# Altium PCB Time4CM4_Modular.PcbDoc (part 2 of 2)
Units mil, origin at the board's own origin, x right, y up, seen from the top; angles counter-clockwise.
Board outline 2171 x 2100.88 mil, 4 copper layers (Top Layer, Int1 (GND), Int2 (PWR), Bottom Layer), stack 61.418 mil thick; 36 components, 160 nets, 586 pads, 420 vias.
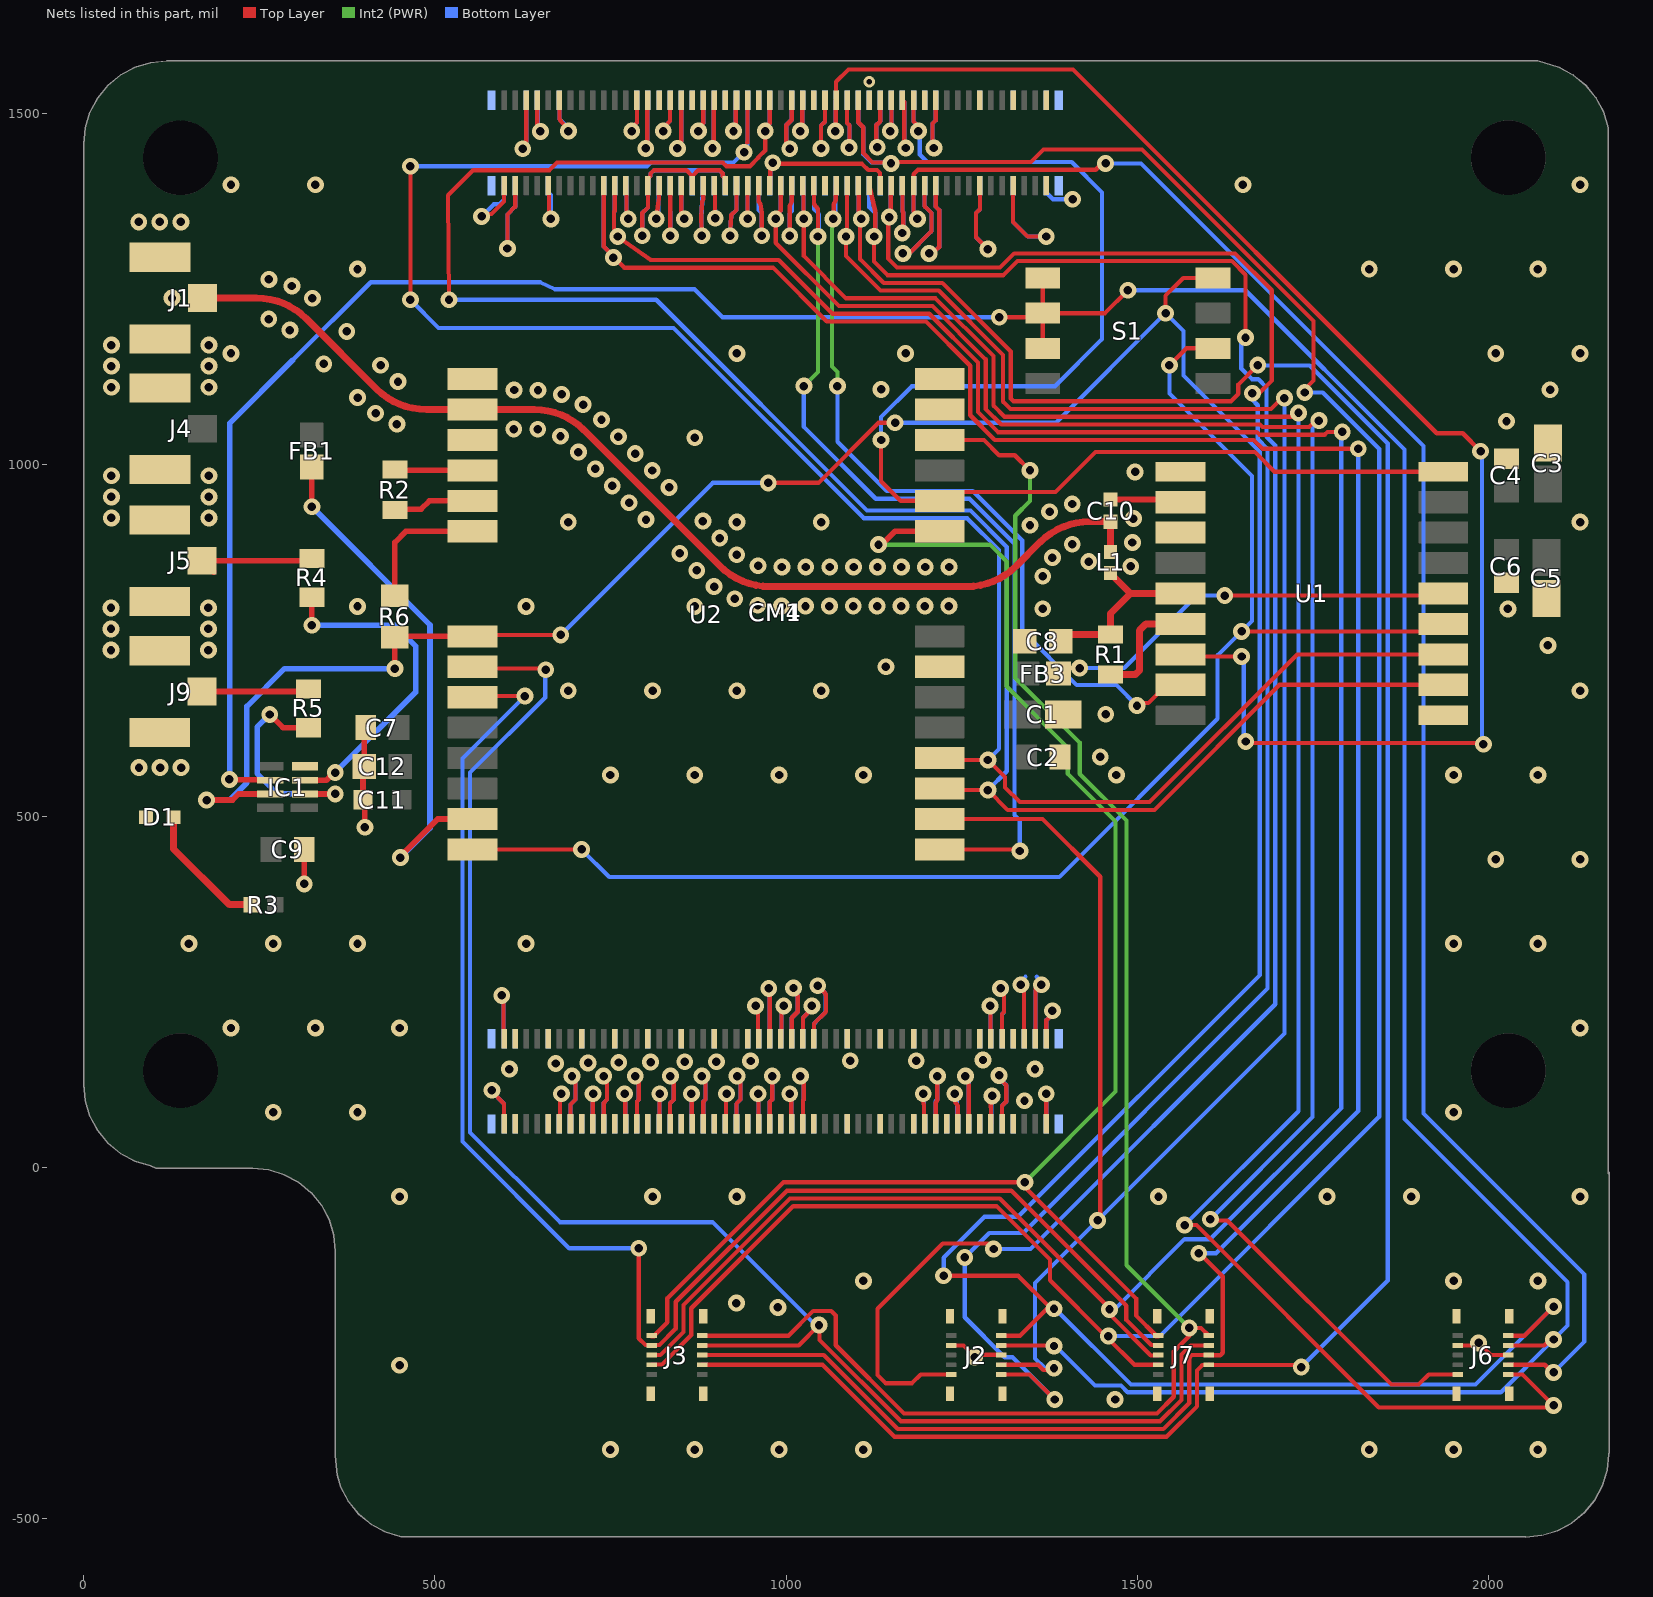
[diagram p4: the nets of this part, all layers, seen from the top]

## Via types
v1: diameter 24, hole 12, Top Layer to Bottom Layer, tented both sides, 419 vias
v2: diameter 16, hole 8, Top Layer to Bottom Layer, tented both sides, 1 vias

## Nets (pads, with @x,y where several pads share a name; then routed paths per layer and width w, separated by ;. In a path a pad name is that pad's centre, name@x,y a point inside that pad or via, vN(x,y) a via of type N, cw(c..) or ccw(c..) an arc to the next point about the centre after c; other vN are vias at no path point) (continued)
GND: C1.2 C2.2 C3.2 C4.2 C5.2 C6.2 C7.2 C8.1 C9.2 C11.1 C12.1 CM1.1 CM1.2 CM1.7 CM1.8 CM1.13 CM1.14 CM1.22 CM1.23 CM1.32 CM1.33 CM1.42 CM1.43 CM1.52 CM1.53 CM1.59 CM1.60 CM1.65 CM1.66 CM1.71 CM1.74 CM1.98 CM1.107 CM1.108 CM1.113 CM1.114 CM1.120 CM1.125 CM1.126 CM1.131 CM1.132 CM1.137 CM1.138 CM1.144 CM1.150 CM1.155 CM1.156 CM1.161 CM1.162 CM1.167 CM1.168 CM1.173 CM1.174 CM1.179 CM1.180 CM1.185 CM1.186 CM1.191 CM1.192 CM1.197 CM1.198 CM4.1 CM4.2 CM4.7 CM4.8 CM4.13 CM4.14 CM4.22 CM4.23 CM4.32 CM4.33 CM4.42 CM4.43 CM4.52 CM4.53 CM4.59 CM4.60 CM4.65 CM4.66 CM4.71 CM4.74 CM4.98 CM4.107 CM4.108 CM4.113 CM4.114 CM4.120 CM4.125 CM4.126 CM4.131 CM4.132 CM4.137 CM4.138 CM4.144 CM4.150 CM4.155 CM4.156 CM4.161 CM4.162 CM4.167 CM4.168 CM4.173 CM4.174 CM4.179 CM4.180 CM4.185 CM4.186 CM4.191 CM4.192 CM4.197 CM4.198 D1.1 IC1.4 J1.2 J1.3 J2.3 J2.6 J2.MP1 J2.MP2 J2.MP3 J2.MP4 J3.MP1 J3.MP2 J3.MP3 J3.MP4 J4.2 J4.3 J5.2 J5.3 J6.3 J6.6 J6.MP1 J6.MP2 J6.MP3 J6.MP4 J7.MP1 J7.MP2 J7.MP3 J7.MP4 J9.2 J9.3 pad.2 U1.1 U1.10 U1.12 U2.7 U2.13 U2.14 U2.15 U2.17 | length 1951.5
  Top Layer w6: v1(603.06,1307.94) 603.06,1356.34 614.17,1367.46 CM4.98@614.17,1397.64 ; v1(795,1326) 795,1358.28 803.15,1366.43 CM4.74@803.15,1397.64 804.09,1398.58 804.09,1408.42 806.96,1411.29 806.96,1414.73 811.65,1419.42 857.65,1419.42 865.16,1411.9 ; CM4.66@866.14,1397.64 866.42,1397.91 866.42,1411.19 874.64,1419.42 904.89,1419.42 909.57,1414.73 909.57,1411.29 912.45,1408.42 912.45,1398.58 CM4.60@913.39,1397.64 ; CM4.52@976.38,1397.64 977.31,1398.58 977.31,1426.64 v1(980.67,1430) ; v1@977.31,1428.42 1107.74,1428.42 1116.65,1419.51 1129.21,1419.51 1133.24,1415.47 1133.24,1398.05 CM4.32@1133.86,1397.44 ; v1(1203.28,1301) 1208.15,1301 1216.77,1309.61 1217.61,1309.61 1217.61,1362.84 1212.6,1367.86 CM4.22@1212.6,1397.64 ; J2.3@1234.55,-253.17 1252.03,-253.17 1265.27,-266.4 1268,-266.4 v1(1268,-270) ; v1@1270.65,-266.56 J2.6@1305.81,-266.56 ; CM4.14@1275.59,1397.64 1275.59,1363.87 1270,1358.28 1270,1323.99 v1(1287,1306.99) ; CM4.8@1322.83,1397.64 1322.83,1345.73 1343.56,1325 v1(1370.08,1325) ; J6.3@1955.58,-253.17 1976.96,-253.17 1980.55,-249.58 v1(1985.42,-249.58) 2002.78,-266.95 J6.6@2027.24,-266.95
  Top Layer w8: v1(313.98,403.54) C9.2@313.98,452.76 ; v1(400.24,484.25) 400.24,521.02 C11.1@397.64,523.62 397.64,568.89 C12.1@399.61,570.86 399.61,624.02 C7.2@401.57,625.98 C7.2@402.61,627.02
  Bottom Layer w6: v1(603.06,1307.94) 603.06,1356.34 614.17,1367.46 CM1.98@614.17,1397.44 ; v1(795,1326) 795,1358.28 803.15,1366.43 CM1.74@803.15,1397.44 804.09,1398.38 804.09,1408.22 806.96,1411.09 806.96,1414.53 811.65,1419.22 862.45,1419.22 ; CM1.66@866.14,1397.44 865.2,1398.38 865.2,1416.46 862.45,1419.22 ; CM1.60@913.39,1397.44 912.45,1398.38 912.45,1408.22 909.57,1411.09 909.57,1414.53 904.89,1419.22 862.45,1419.22 ; CM1.52@976.38,1397.44 977.31,1398.38 977.31,1426.64 v1(980.67,1430) ; v1(1203.28,1301) 1208.15,1301 1216.77,1309.61 1217.61,1309.61 1217.61,1362.84 1212.6,1367.86 CM1.22@1212.6,1397.44 ; CM1.14@1275.59,1397.44 1275.59,1363.87 1270.92,1359.21 1270,1358.28 1270,1323.99 v1(1287,1306.99) ; CM1.8@1322.83,1397.44 1322.83,1345.73 1343.56,1325 v1(1370.08,1325) ; CM1.2@1370.08,1397.44 1370.08,1387.6 1379.73,1377.95 v1(1407.48,1377.95)
  other v1: 749.76,-401.42 869.76,-401.42 989.76,-401.42 1109.76,-401.42 1829.76,-401.42 1949.76,-401.42 2069.76,-401.42 1467.99,-330.22 449.76,-281.42 988,-199 929,-193 1109.76,-161.42 1949.76,-161.42 2069.76,-161.42 449.76,-41.42 809.76,-41.42 929.76,-41.42 1529.76,-41.42 1769.76,-41.42 1889.76,-41.42 2129.76,-41.42 269.76,78.58 389.76,78.58 1949.76,78.58 1339,95 606,140 1354,140 672,148 717.98,148.87 761.5,149.46 807,150 855.51,150.51 900.51,150.51 949.34,151.61 1091,152 1185,152 1280,153 209.76,198.58 329.76,198.58 449.76,198.58 2129.76,198.58 149.76,318.58 269.76,318.58 389.76,318.58 629.76,318.58 1949.76,318.58 2069.76,318.58 2009.76,438.58 2129.76,438.58 749.76,558.58 869.76,558.58 989.76,558.58 1109.76,558.58 1469.76,558.58 1949.76,558.58 2069.76,558.58 78.74,569.14 108.74,569.14 138.74,569.14 1446.85,584.38 1454.65,645 689.76,678.58 809.76,678.58 929.76,678.58 1049.76,678.58 2129.76,678.58 1141.73,712.6 38.96,736.47 177.58,736.47 2084,743 38.96,766.47 177.58,766.47 2027,795 1365,795.28 38.96,796.47 177.58,796.47 389.76,798.58 629.76,798.58 869.76,798.58 993.37,798.93 1027.37,798.93 1061.37,798.93 1095.37,798.93 1129.37,798.93 1163.37,798.93 1197.37,798.93 1231.37,798.93 959.4,800.29 926.66,809.47 897.37,826.73 1365,841.4 872.51,849.92 993.81,854.61 1027.81,854.61 1061.81,854.61 1095.81,854.61 1129.81,854.61 1163.81,854.61 1197.81,854.61 1231.81,854.61 1490.35,855.6 959.86,856.49 1430.4,862.39 1378.71,868.02 929.6,872 848.47,873.97 1406.93,886.99 1492.5,889.53 905.36,895.83 1346.84,914.12 689.76,918.58 929.76,918.58 1049.76,918.58 2129.76,918.58 881.31,919.87 800.39,922.05 1494.11,923.49 39.53,924.46 178.15,924.46 1374.87,933.36 1407.05,944.35 776.34,946.09 39.53,954.46 178.15,954.46 833.23,967.96 752.3,970.13 39.53,984.46 178.15,984.46 1496.38,990 809.19,992 728.26,994.17 785.15,1016.04 704.22,1018.22 869.76,1038.58 761.11,1040.08 678.68,1040.66 612.2,1050.9 646.2,1050.71 445.91,1058.11 2025,1062 737.06,1064.12 415.58,1073.47 710.86,1085.78 389.89,1095.74 680.15,1100.39 612.65,1106.58 646.65,1106.17 2087,1107 1135.05,1107.42 39.53,1110.48 178.15,1110.48 447.39,1118.58 39.53,1140.48 178.15,1140.48 422.56,1141.81 341.8,1143.82 209.76,1158.58 929.76,1158.58 1169.76,1158.58 2009.76,1158.58 2129.76,1158.58 39.53,1170.48 178.15,1170.48 374.48,1189.9 293.57,1191.75 263.44,1207.51 125.78,1237.44 325.6,1237.16 296.39,1254.56 263.7,1263.89 389.76,1278.58 1829.76,1278.58 1949.76,1278.58 2069.76,1278.58 78.37,1345.72 108.37,1345.72 138.37,1345.72 209.76,1398.58 329.76,1398.58 1649.76,1398.58 2129.76,1398.58
  other v2: 1118.11,1545.28
GNSS_RESET: CM1.25 CM4.25 U1.9 U2.10 | length 1920.9
  Top Layer w6: v1(1135,1035.43) 1135,976.72 1162.9,948.82 U2.10@1218.33,948.82 1228.17,948.82 1240.92,961.57 1383.28,961.57 1440,1018.28 1666.89,1018.28 1695.02,990.16 U1.9@1935.08,990.16 ; CM4.25@1181.1,1518.9 1181.1,1488.77 v1@1192,1477.87
  Bottom Layer w6: v1@1134.98,1035.45 1134.98,1068.28 1178.68,1111.98 1382.61,1111.98 1449.52,1178.89 1449.52,1387.72 1406.24,1431 1200.72,1431 1190,1441.72 1190,1479.87 1181.1,1488.77 CM1.25@1181.1,1518.7
  other v1: 1188,1475
GNSS_RF_IN: C10.2 J1.1 L1.2 U2.16 | length 1518.5
  Top Layer w10: J1.1@168.88,1237.45 246.13,1237.45 cw(c246.13,1137.45) 316.84,1208.16 416.97,1108.03 ccw(c487.68,1178.74) 487.68,1078.74 U2.16@553.33,1078.74 641.65,1078.74 cw(c641.65,978.74) 712.36,1049.45 905.75,856.06 ccw(c976.46,926.77) 976.46,826.77 1256.66,826.77 ccw(c1256.66,926.77) 1327.38,856.06 1361.32,890 cw(c1432.03,819.29) 1432.03,919.29 C10.2@1461.44,919.29 L1.2@1461.44,875.99
GPIO_0: CM1.36 CM4.36 J3.3 J7.3 | length 3440
  Top Layer w6: J3.3@880.22,-280.72 1051.56,-280.72 1154.05,-383.22 1541.19,-383.22 1584.49,-339.91 1584.49,-288.92 1592.15,-281.27 1600.71,-281.27 J7.3@1601.25,-280.72 1601.53,-281 1730,-281 v1(1733,-284) ; CM4.36@1102.36,1397.64 1103.3,1396.7 1103.3,1353.32 v1(1106.61,1350) 1105,1348.39 1105,1292.78 1138.78,1259 1222.09,1259 1319.55,1161.54 1319.55,1094.49 1323.49,1090.55 1632.77,1090.55 1643.38,1101.16 1643.38,1114.31 v1(1671.07,1142)
  Bottom Layer w6: CM1.36@1102.36,1397.44 1103.3,1396.5 1103.3,1353.32 v1(1106.61,1350) ; v1(1671.07,1142) 1673.31,1142 1674,1141.31 1744.98,1141.31 1856,1030.28 1856,-161 v1(1733,-284)
GPIO_1: CM1.35 CM4.35 J3.4 J7.4 | length 3609.6
  Top Layer w6: J3.4@808.57,-280.72 809.11,-280.18 823.05,-280.18 864.74,-238.49 864.74,-200.23 1009.97,-55 1299.28,-55 1375.42,-131.14 1375.42,-160.42 1456.72,-241.72 1495.72,-280.72 J7.4@1529.6,-280.72 ; CM4.35@1102.36,1518.9 1102.36,1487.64 1109.49,1480.51 1109.49,1443.72 1122.7,1430.51 1147.49,1430.51 v1(1149,1429) 1151,1431 1348.28,1431 1366.28,1449 1506.22,1449 1750.44,1204.78 1750.44,1120.26 1738,1107.82 v1(1738,1103)
  Bottom Layer w6: CM1.35@1102.36,1518.7 1102.36,1487.51 1109.49,1480.38 1109.49,1458.79 1109.49,1442.22 1121.21,1430.51 v1@1137.78,1430.51 ; v1@1455,-240 1531.65,-240 1844,72.35 1844,1022.48 1763.48,1103 v1(1738,1103)
  other v1: 1458.44,-240
GPIO_2: CM1.58 CM4.58 | length 149.3
  Top Layer w6: v1(920,1326) 921.76,1355.56 929.13,1362.93 CM4.58@929.13,1397.64
  Bottom Layer w6: v1(920,1326) 921.76,1355.46 929.13,1362.83 CM1.58@929.13,1397.44
GPIO_3: CM1.56 CM4.56 | length 95.2
  Top Layer w6: CM4.56@944.88,1397.64 944.94,1397.58 944.94,1350.06 v1(945,1350)
  Bottom Layer w6: CM1.56@944.88,1397.44 944.94,1397.38 944.94,1350.06 v1(945,1350)
GPIO_4: CM1.54 CM4.54 | length 144.6
  Top Layer w6: CM4.54@960.63,1397.64 960.63,1376.83 ccw(c966.63,1376.86) 962.38,1372.62 ; 963.27,1371.73 965,1358.28 v1(965,1326)
  Bottom Layer w6: CM1.54@960.63,1397.44 960.63,1362.65 965,1358.28 v1(965,1326)
GPIO_5: CM1.34 CM4.34 J2.9 | length 2767
  Top Layer w6: CM4.34@1118.11,1397.64 1126.61,1360.9 1126.61,1326.61 v1(1125,1325) 1125,1289.24 1144.24,1270 1308.91,1270 1328.91,1290 1634.11,1290 1653.54,1270.57 v1(1653.54,1181.1) ; J2.9@1234.55,-294.5 1191.47,-294.5 1179.07,-306.91 1141.47,-306.91 1129.75,-295.2 1129.75,-200.96 1222.72,-108 1287,-108 v1(1295,-116)
  Bottom Layer w6: CM1.34@1118.11,1397.44 1118.11,1366.79 1126.61,1358.28 1126.61,1326.61 v1(1125,1325) ; v1(1295,-116) 1347.72,-116 1696,232.28 1696,1027.4 1683.38,1040.01 1683.38,1110.28 1671.67,1122 1662.79,1122 1647.47,1137.32 1647.47,1175.03 v1(1653.54,1181.1)
GPIO_6: CM1.30 CM4.30 J2.10 | length 2696.1
  Top Layer w6: v1(1146.61,1352.57) 1146.61,1350 1145,1348.39 1145,1293.72 1157.72,1281 1304.35,1281 1324.35,1301 1638.67,1301 1691.07,1248.59 1691.07,1120.21 1670.61,1099.74 1668.35,1102 v1(1663.38,1102) ; v1@1148.67,1352.57 1148.67,1396.7 CM4.30@1149.61,1397.64 ; J2.10@1306.2,-294.5 1346.35,-294.5 v1(1382.07,-330.22)
  Bottom Layer w6: v1(1146.61,1352.57) 1148.67,1354.62 1148.67,1396.5 CM1.30@1149.61,1397.44 ; v1(1382.07,-330.22) 1321.81,-269.96 1310.81,-269.96 1254,-213.15 v1(1254,-128) 1288.93,-93.07 1337.35,-93.07 1685,254.58 1685,1022.84 1671,1036.84 1671,1084.9 1663.38,1092.52 v1(1663.38,1102)
GPIO_7: CM1.37 CM4.37 | length 137.8
  Top Layer w6: CM4.37@1086.61,1518.9 1086.61,1486.67 1090,1483.28 1090,1452.02 v1(1089.49,1451.52)
  Bottom Layer w6: CM1.37@1086.61,1518.7 1086.61,1486.67 1090,1483.28 1090,1452.02 v1(1089.49,1451.52)
GPIO_8: CM1.39 CM4.39 U1.16 | length 2235
  Top Layer w6: v1(1070,1475) 1070.43,1475.43 1070.43,1518.47 CM4.39@1070.87,1518.9 1070.43,1519.33 1070.87,1519.76 1070.87,1545.28 1088.39,1562.8 1407.98,1562.8 1925.82,1044.96 1962.78,1044.96 v1(1988.28,1019.45) ; U1.16@1561.06,730.32 1564.1,727.28 v1(1648,727.28) ; v1(1653.98,606.3) 1655.95,604.33 1990.2,604.33 v1(1992.17,602.36)
  Bottom Layer w6: v1(1070,1475) 1070.43,1475.43 1070.43,1518.27 CM1.39@1070.87,1518.7 ; v1(1648,727.28) 1650.99,724.29 1650.99,609.29 v1(1653.98,606.3) ; v1(1988.28,1019.45) 1990.22,1017.51 1990.22,604.3 v1(1992.17,602.36)
GPIO_9: CM1.40 CM4.40 U1.17 | length 1156.3
  Top Layer w6: v1@1066.61,1350 ccw(c1061.43,1353.03) 1067.43,1352.99 1067.43,1369.95 cw(c1073.43,1369.95) 1068.71,1373.65 ; 1069.16,1374.22 ccw(c1064.43,1377.92) 1070.43,1377.92 1070.43,1386.86 CM4.40@1070.87,1397.64 ; v1(1499.12,657.48) 1502.56,660.93 1515.3,660.93 1541.38,687.01 U1.17@1561.06,687.01 U1.17@1563.46,684.61
  Int2 (PWR) w6: v1(1066.61,1350) 1065,1348.39 1065,1140.04 1072.83,1132.2 v1(1072.83,1112.2)
  Bottom Layer w6: v1@1065,1348.39 v1(1066.61,1350) 1069.93,1353.32 1069.93,1396.5 CM1.40@1070.87,1397.44 ; v1(1072.83,1112.2) 1072.83,1032.86 1142.92,962.77 1265.4,962.77 1335.85,892.32 1335.85,764.18 1413.3,686.73 1469.87,686.73 v1@1500.22,656.37
GPIO_10: CM1.44 CM4.44 U2.1 | length 1349.4
  Top Layer w6: CM4.44@1039.37,1397.64 1039.37,1373.11 ccw(c1045.37,1373.12) 1041.11,1368.89 1043.26,1366.74 cw(c1039,1362.51) 1045,1362.51 v1(1045,1325) ; U2.1@1218.33,452.76 1330.07,452.76 v1(1332.4,450.43)
  Int2 (PWR) w6: v1(1025,1112.2) 1045,1132.2 v1(1045,1325)
  Bottom Layer w6: v1(1025,1112.2) 1025,1054.15 1127.38,951.77 1260.84,951.77 1324.85,887.77 1324.85,501.29 1332.4,493.74 v1@1332.4,457.34 ; CM1.44@1039.37,1397.44 1039.37,1363.91 1046.5,1356.78 1046.5,1326.5 v1(1045,1325) v1@1043.3,1323.31
GPIO_11: CM1.38 CM4.38 J2.8 U2.2 | length 3292.6
  Top Layer w6: v1@1085,1323.39 1085,1297.23 1134.23,1248 1217.09,1248 1308.55,1156.54 1308.55,1089.93 1318.93,1079.55 1689.89,1079.55 1705.33,1095 v1(1709,1095) ; v1(1085,1325) 1086.69,1326.69 1088.31,1326.69 1086.61,1328.39 CM4.38@1086.61,1397.64 ; U2.2@1218.33,496.06 1364.59,496.06 1446.85,413.81 v1@1446.85,-75.29 ; J2.8@1306.2,-280.72 1358.19,-280.72 1365.69,-288.22 v1@1370.78,-288.22
  Bottom Layer w6: v1(1085,1325) 1086.61,1326.61 CM1.38@1086.61,1397.44 ; v1@1373.21,-285.79 1368.12,-285.79 1354,-271.67 1354,-164.39 v1(1443.11,-75.29) 1709,190.61 v1(1709,1095)
  other v1: 1381,-285.79
GPIO_12: CM1.31 CM4.31 | length 139.7
  Top Layer w6: v1(1129.49,1452) 1128,1453.49 1128,1483.28 1133.86,1489.14 CM4.31@1133.86,1518.9
  Bottom Layer w6: v1(1129.49,1452) 1128,1453.49 1128,1483.28 1133.86,1489.14 CM1.31@1133.86,1518.7
GPIO_13: CM1.28 CM4.28 | length 137.5
  Top Layer w6: v1(1165,1329.98) 1165,1331.88 1166.61,1333.49 1166.61,1359.46 1165.35,1360.72 CM4.28@1165.35,1397.64
  Bottom Layer w6: v1(1165,1329.98) 1165,1331.88 1166.61,1333.49 1166.61,1359.36 1165.35,1360.62 CM1.28@1165.35,1397.44
GPIO_16: CM1.29 CM4.29 | length 89.3
  Top Layer w6: v1(1148,1475) 1149.8,1476.8 1149.8,1518.7 CM4.29@1149.61,1518.9
  Bottom Layer w6: v1(1148,1475) 1149.8,1476.8 1149.8,1518.5 CM1.29@1149.61,1518.7
GPIO_17: CM1.50 CM4.50 J6.9 | length 2717.6
  Top Layer w6: CM4.50@992.13,1397.64 992.13,1362 985,1354.87 v1(985,1350) 985,1316 1075,1226 1207.98,1226 1283.76,1150.22 1283.76,1079.7 1305.9,1057.55 1674.29,1057.55 1677.86,1053.99 1744.12,1053.99 1753.13,1063 v1(1758,1063) ; v1(1603.57,-73.57) 1605.29,-75.29 1627.57,-75.29 1861.28,-309 1899.97,-309 1914.46,-294.5 J6.9@1955.58,-294.5
  Bottom Layer w6: v1(985,1350) 985,1354.87 992.13,1362 CM1.50@992.13,1397.44 ; v1(1603.57,-73.57) 1749,71.86 1749,1054 v1(1758,1063)
GPIO_19: CM1.26 CM4.26 J6.8 | length 2502.3
  Top Layer w6: v1@1181.1,1360.38 CM4.26@1181.1,1397.64 1181.1,1411.32 cw(c1187.1,1411.32) 1182.84,1415.54 1187.3,1420 1440.52,1420 1449.52,1429 v1(1454.39,1429) ; J6.8@2027.24,-280.72 2079.49,-280.72 2090.43,-291.67 v1(2092,-291.67)
  Bottom Layer w6: CM1.26@1181.1,1397.44 1181.1,1360.38 1186.61,1354.87 v1(1186.61,1350) ; v1(1454.39,1429) 1504.69,1429 1907,1026.69 1907,76.73 2135.83,-152.09 2135.83,-247.84 v1(2092,-291.67)
GPIO_20: CM1.27 CM4.27 | length 139.4
  Top Layer w6: CM4.27@1165.35,1518.9 1168,1516.25 1168,1453 v1(1170,1451)
  Bottom Layer w6: CM1.27@1165.35,1518.7 1168,1516.05 1168,1453 v1(1170,1451)
GPIO_22: CM1.46 CM4.46 J6.10 | length 2931
  Top Layer w6: CM4.46@1023.62,1397.64 1024.31,1396.95 1024.31,1350.69 v1(1025,1350) 1025,1316.72 1025,1297.11 1085.11,1237 1212.54,1237 1294.76,1154.78 1294.76,1084.25 1310.46,1068.55 1718.7,1068.55 1724.13,1073.99 v1(1729,1073.99) ; v1(1567,-82) 1583.72,-82 1843.21,-341.5 2089,-341.5 v1(2092,-338.5) 2048.01,-294.5 J6.10@2027.24,-294.5
  Bottom Layer w6: CM1.46@1023.62,1397.44 1024.31,1396.75 1024.31,1350.69 v1(1025,1350) ; v1@1567,-81.86 1729,80.14 v1(1729,1073.99)
GPIO_23: CM1.47 CM4.47 | length 148.3
  Top Layer w6: v1(1005,1450) 1005,1454.87 1000,1459.87 1000,1483.28 1007.87,1491.16 CM4.47@1007.87,1518.9
  Bottom Layer w6: v1(1005,1450) 1005,1454.87 1000,1459.87 1000,1483.28 1007.87,1491.16 CM1.47@1007.87,1518.7
GPIO_24: CM1.45 CM4.45 | length 90.6
  Top Layer w6: v1(1020,1475) 1022.68,1477.69 1022.68,1517.96 CM4.45@1023.62,1518.9
  Bottom Layer w6: v1(1020,1475) 1022.68,1477.69 1022.68,1517.76 CM1.45@1023.62,1518.7
GPIO_25: CM1.41 CM4.41 | length 141.2
  Top Layer w6: v1(1049.49,1450.51) 1049.49,1482.78 1055.12,1488.4 CM4.41@1055.12,1518.9
  Bottom Layer w6: v1(1049.49,1450.51) 1049.49,1482.78 1055.12,1488.4 CM1.41@1055.12,1518.7
GPIO_26: CM1.24 CM4.24 | length 248.7
  Top Layer w6: v1(1166,1301) 1170.97,1301 1172.98,1298.99 1206.61,1332.61 1206.61,1358.28 1201.6,1363.3 1196.85,1368.05 CM4.24@1196.85,1397.64
  Bottom Layer w6: v1(1166,1301) 1170.97,1301 1172.98,1298.99 1206.61,1332.61 1206.61,1358.28 1201.6,1363.3 1196.85,1368.05 CM1.24@1196.85,1397.44
GPIO_27: CM1.48 CM4.48 | length 143.9
  Top Layer w6: v1(1005,1325.89) 1005,1367.55 cw(c1011,1367.51) 1006.17,1371.07 ; 1006.7,1371.8 1007.87,1375.42 CM4.48@1007.87,1397.64
  Bottom Layer w6: v1(1005,1325.89) 1005,1356.1 cw(c1011,1356.07) 1006.76,1360.31 1007.87,1361.42 CM1.48@1007.87,1397.44
GPIO_44: CM1.82 CM4.82 J3.5 J7.5 | length 3708.2
  Top Layer w6: CM4.82@740.16,1397.64 740.16,1310.86 754,1297.02 v1(754,1295) 754.99,1295 769.34,1280.65 981.03,1280.65 1057.67,1204 1067.49,1204 1198.87,1204 1261.76,1141.11 1261.76,1070.59 1296.79,1035.55 1665.18,1035.55 1677.73,1023 v1(1814,1023) ; J3.5@880.22,-266.95 1053.33,-266.95 1158.61,-372.22 1536.63,-372.22 1573.49,-335.36 1573.49,-270.79 1577.34,-266.95 J7.5@1601.25,-266.95 1601.52,-267.22 1617.73,-267.22 1621.25,-263.7 1621.25,-155.25 1588,-122 v1(1587,-122)
  Bottom Layer w6: CM1.82@740.16,1397.44 740.16,1310.86 754,1297.02 v1(754,1295) ; v1(1587,-122) 1611.75,-122 1814,80.25 v1(1814,1023)
GPIO_45: CM1.80 CM4.80 J3.6 J7.6 | length 3670.4
  Top Layer w6: v1@755,1335.03 755,1360.49 755.91,1361.4 CM4.80@755.91,1397.64 ; v1(760.16,1325) 806.78,1291.65 989.35,1291.65 1066,1215 1076.73,1215 1078.48,1215 1203.42,1215 1272.76,1145.66 1272.76,1075.14 1301.35,1046.55 1669.74,1046.55 1673.3,1042.99 1766.27,1042.99 1770.2,1046.92 1791.12,1046.92 v1(1791.2,1047) ; J3.6@808.57,-266.95 820.73,-266.95 853.74,-233.93 853.74,-195.67 1005.41,-44 1303.84,-44 v1@1460.92,-201.08 ; v1(1460,-202) 1460,-208.68 1518.72,-267.4 J7.6@1529.06,-267.4 ; v1@1467.44,-205 v1@1467.44,-204.16
  Bottom Layer w6: CM1.80@755.91,1397.44 755.91,1361.3 755,1360.39 755,1335.03 760.16,1329.87 v1(760.16,1325) ; v1(1460,-202) 1467,-202 1567,-102 1603.43,-102 1790,84.57 1790,1041 1791.2,1042.2 v1(1791.2,1047)
GPIO_VREF: CM1.78 CM4.78 | length 97.8
  Top Layer w6: CM4.78@771.65,1397.64 772.59,1396.7 772.59,1352.41 v1(775,1350)
  Bottom Layer w6: CM1.78@771.65,1397.44 772.59,1396.5 772.59,1352.41 v1(775,1350)
HDMI0_CEC: CM1.151 CM4.151 | length 144.4
  Top Layer w6: v1(975,255) 976.38,253.62 CM4.151@976.38,183.46
  Bottom Layer w6: v1(975,255) 976.38,253.62 CM1.151@976.38,183.27
HDMI0_CLK_N: CM1.190 CM4.190 | length 88.1
  Top Layer w6: CM4.190@677.17,62.2 678.1,63.14 678.1,103.1 v1(680,105)
  Bottom Layer w6: CM1.190@677.17,62.01 678.1,62.95 678.1,103.1 v1(680,105)
HDMI0_CLK_P: CM1.188 CM4.188 | length 133.9
  Top Layer w6: CM4.188@692.91,62.2 692.91,89.63 700,96.72 v1@700,120.13
  Bottom Layer w6: CM1.188@692.91,62.01 692.91,89.63 700,96.72 700,120.13 695,125.13 v1(695,130)
HDMI0_HP: CM1.153 CM4.153 | length 96.8
  Top Layer w6: v1(956.38,230) 959.69,226.69 959.69,184.4 CM4.153@960.63,183.46
  Bottom Layer w6: v1(956.38,230) 959.69,226.69 959.69,184.21 CM1.153@960.63,183.27
HDMI0_SCL: CM1.200 CM4.200 | length 110.2
  Top Layer w6: v1(581,110) 581,108.24 598.43,90.82 CM4.200@598.43,62.2
  Bottom Layer w6: v1(581,110) 581,108.24 598.43,90.82 CM1.200@598.43,62.01
HDMI0_SDA: CM1.199 CM4.199 | length 126.1
  Top Layer w6: v1(595,245) 597.49,242.51 597.49,184.4 CM4.199@598.43,183.46
  Bottom Layer w6: v1(595,245) 597.49,242.51 597.49,184.21 CM1.199@598.43,183.27
HDMI0_TX0_N: CM1.184 CM4.184 | length 86.3
  Top Layer w6: CM4.184@724.41,62.2 724.7,62.5 724.7,104.71 v1(725,105)
  Bottom Layer w6: CM1.184@724.41,62.01 724.7,62.3 724.7,104.71 v1(725,105)
HDMI0_TX0_P: CM1.182 CM4.182 | length 132
  Top Layer w6: CM4.182@740.16,62.2 740.16,91.87 745,96.72 v1@745,120.13
  Bottom Layer w6: v1(740,130) 740,125.13 745,120.13 745,96.72 740.16,91.87 CM1.182@740.16,62.01
HDMI0_TX1_N: CM1.178 CM4.178 | length 87.2
  Top Layer w6: v1(770,105) 770.83,104.17 770.83,63.03 CM4.178@771.65,62.2
  Bottom Layer w6: v1(770,105) 770.83,104.17 770.83,62.84 CM1.178@771.65,62.01
HDMI0_TX1_P: CM1.176 CM4.176 | length 130.1
  Top Layer w6: CM4.176@787.4,62.2 787.4,94.12 790,96.72 v1@790,120.13
  Bottom Layer w6: v1(785,130) 785,125.13 790,120.13 790,96.72 787.4,94.12 CM1.176@787.4,62.01
HDMI0_TX2_N: CM1.172 CM4.172 | length 86.7